# Altium PCB MIS_Locker.PcbDoc (part 2 of 3)
Units mil, origin at the board's own origin, x right, y up, seen from the top; angles counter-clockwise.
Board outline 11360 x 6709 mil, 2 copper layers (Top Layer, Bottom Layer); 356 components, 209 nets, 1076 pads, 244 vias.
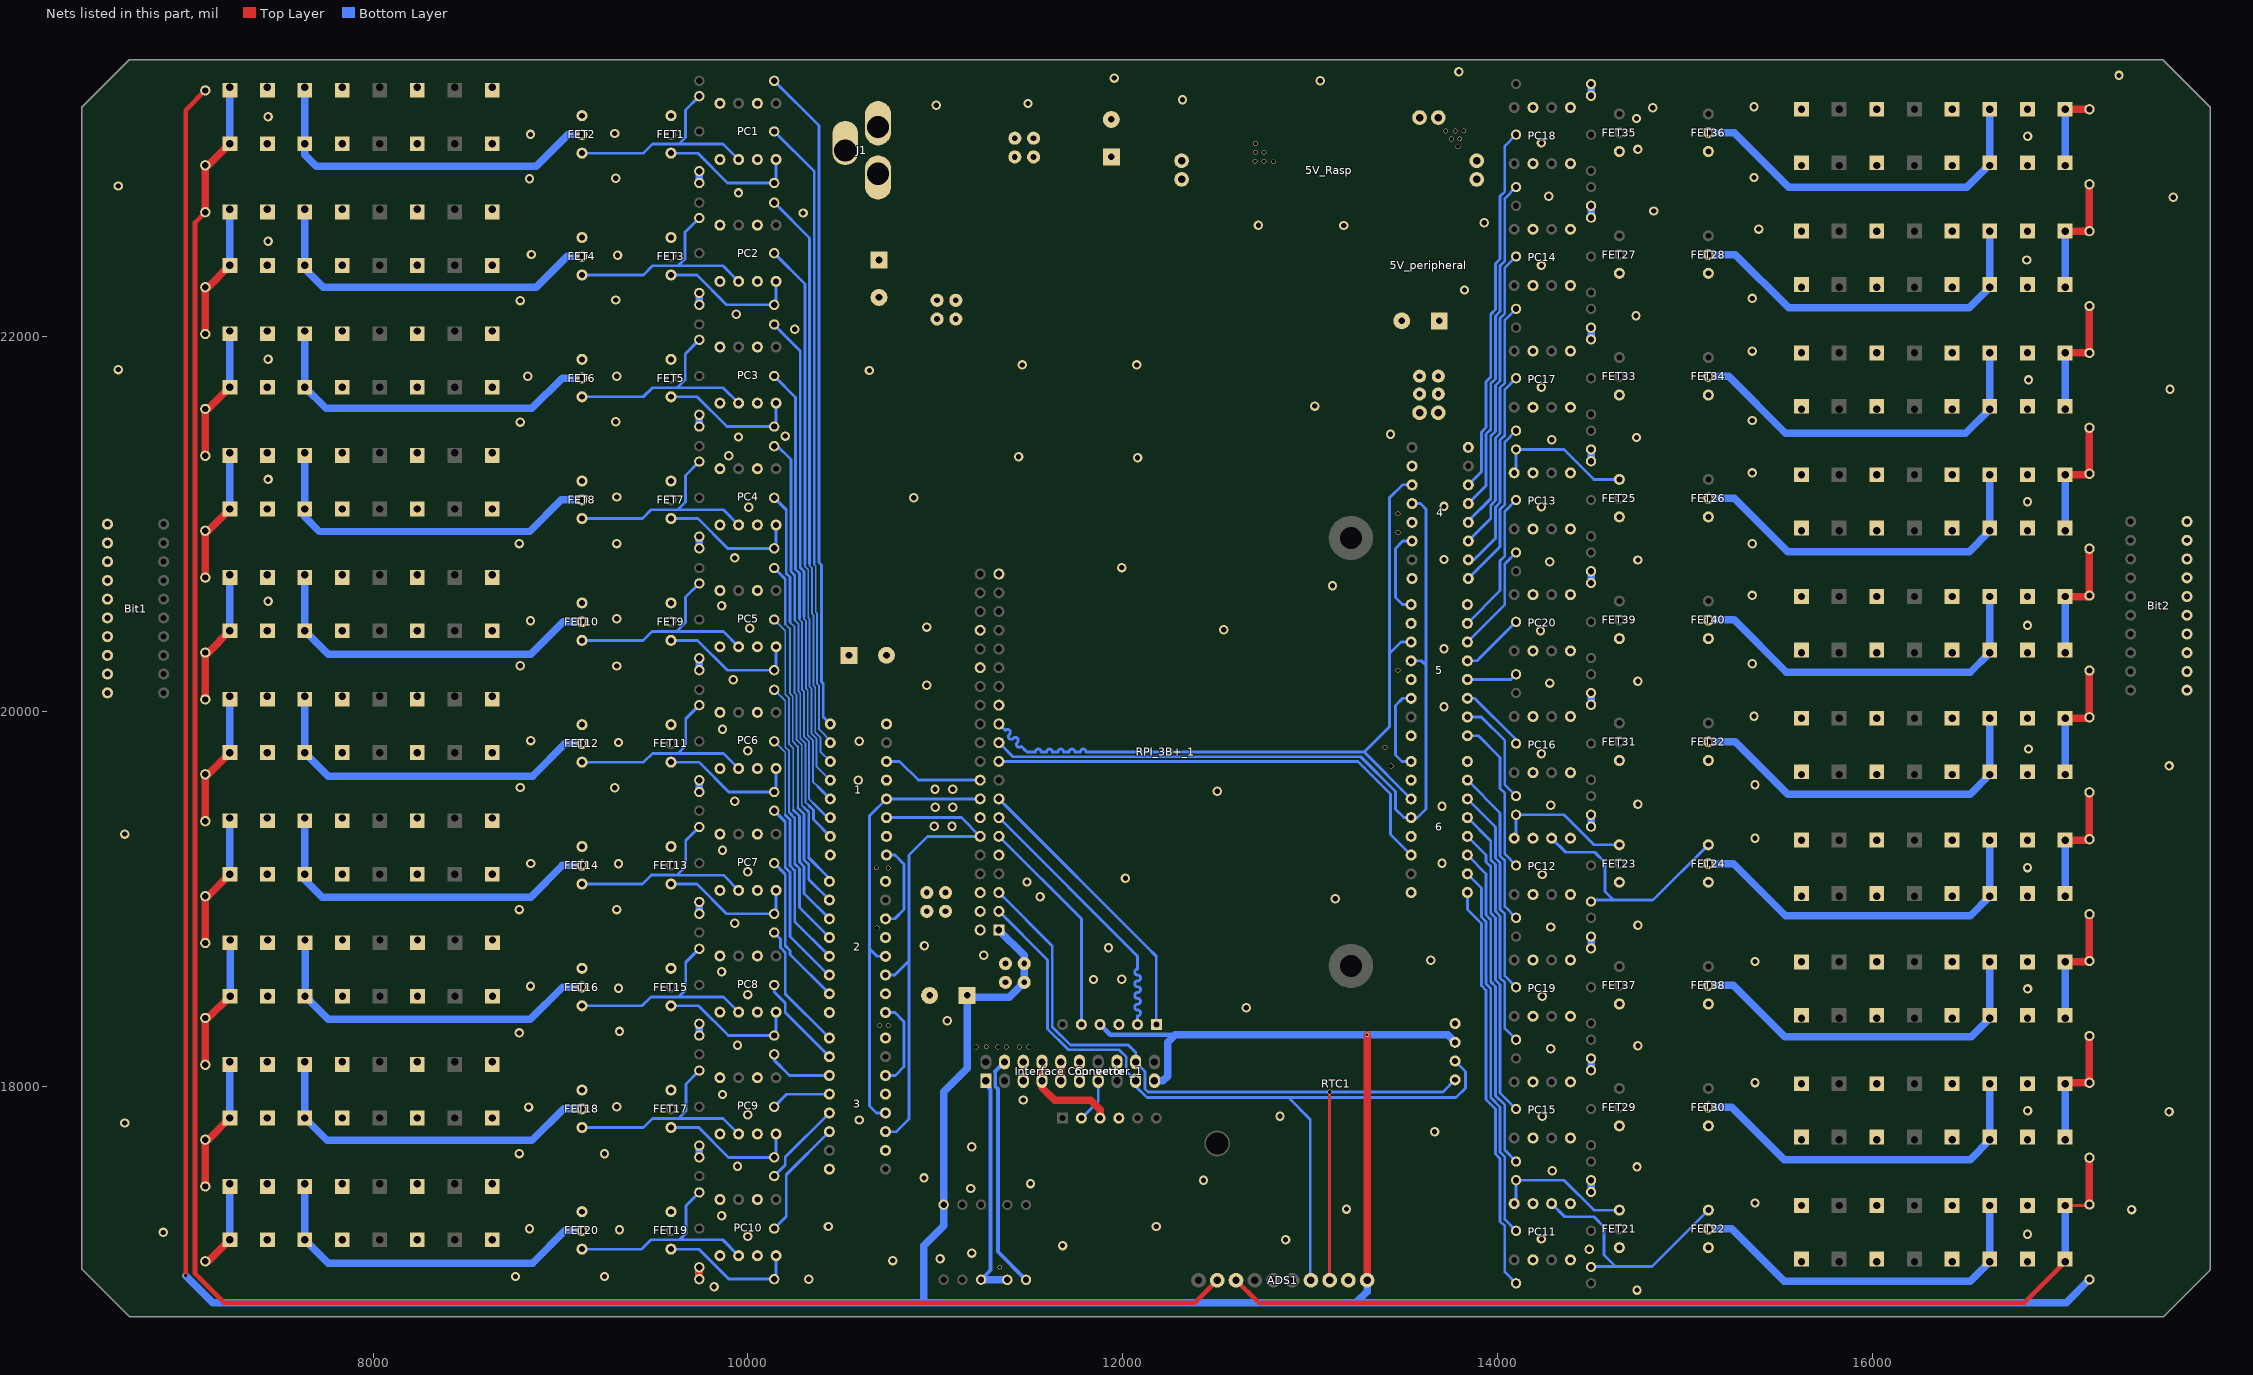
[diagram p2: the nets of this part, all layers, seen from the top]

## Part data
*1 *2 *3 *4 *5 *6 *7 *8 *9 *10 *11 *12 *13 *14 *15 *16 *17 *18 *19 *20 *21 *22 *23 *24 *25 *26 *27 *28 *29 *30 *31 *32 *33 *34 *35 *36 *37 *38 *39 *40 *41 *42 *43 *44 *45 *46 *47 *48 *49 *50 *51 *52 *53 *54 *55 *56 *57 *58 *59 *60 *61 *62 *63 *64 *65 *66 *67 *68 *69 *70 *71 *72 *73 *74 *75 *76 *77 *78 *79 *80 *81 *82 *83 *84 *85 *86 *87 *88 *89 *90 *91 *92 *93 *94 *95 *96 *97 *98 *99 *100 *101 *102 *103 *104 *105 *106 *107 *108 *109 *110 *111 *112 *113 *114 *115 *116 *117 *118 *119 *120 *121 *122 *123 *124 *125 *126 *127 *128 *129 *130 *131 *132 *133 *134 *135 *136 *137 *138 *139 *140 *141 *142 *143 *144 *145 *146 *147 *148 *149 *150 *151 *152 *153 *154 *155 *156 *157 *158 *159 *160: library part 5#Terminalx1
ADS1: library part 6_Adafruit_ADS1015_16Bit_I2C_ADC
Bit1 Bit2: library part 6#Bit_Switch_10
C1 C2 C4 C5 C7 C8 C10 C11 C13 C14: library part CN1, "Cap np  1pF - 472pF"
C3 C6 C9 C12 C15: library part "Cap Pol3_1", "Polarized Capacitor (Surface Mount)", LatestRevisionDate=17-Jul-2002, LatestRevisionNote="Re-released for DXP Platform.", PackageReference=C0805, Publisher="Altium Limited"
  C3: Name=C3
  C6: Name=C6
  C9 C12: Name=C9
  C15: Name=C15
Converter_1: library part 5V-3.3V-converter
"Interface Connector": "IDC 10x2"
R1 R2 R3 R4 R5 R6 R7 R8 R9 R10 R11 R12 R13 R14 R15 R16 R17 R18 R19 R20 R21 R22 R23 R24 R25 R26 R27 R28 R29 R30 R31 R32 R33 R34 R35 R36 R37 R38 R39 R40 R41 R42 R43 R44 R45 R46 R47 R48 R49 R50 R51 R52 R53 R54 R55 R56 R57 R58 R59 R60 R61 R62 R63 R64 R65 R66 R67 R68 R69 R70 R71 R72 R73 R74 R75 R76 R77 R78 R79 R80 R81 R82 R83 R84 R85 R86 R87 R88 R89 R90 R91 R92 R93 R94 R95 R96 R97 R98 R99 R100 R101 R102 R103 R104 R105: library part Res2, "Resistor", LatestRevisionDate=17-Jul-2002, LatestRevisionNote="Re-released for DXP Platform.", PackageDescription="Axial Device, Thru-Hole; 2 Leads; 0.4 in Pin Spacing", PackageReference=AXIAL-0.4, Published=8-Jun-2000, Publisher="Altium Limited"
RPI_3B+_1: library part "rpi connector_2holes", "GPIO Header for Raspberry Pi A+/B+/Pi 2/Pi 3 - 2x20", Manufacturer="SparkFun Electronics", Manufacturer Part Number=PRT-14017, Supplier Part Number 1=1568-1462-ND, Accessory Type=Connector, Category="Development Boards, Kits, Programmers", ComponentLink1Description=https://cdn.sparkfun.com/datasheets/Dev/RaspberryPi/12313.pdf, ComponentLink1URL=https://cdn.sparkfun.com/datasheets/Dev/RaspberryPi/12313.pdf, For Use With/Related Products="Raspberry Pi", Nils Minor=author, nilsminor@web.de=mail, Part Status=Active, Pricing 1="1=1.84 (EUR)", RoHS="RoHS Compliant", Stock 1=150, Supplier 1=Digi-Key

## Via types
v1: diameter 50, hole 28, Top Layer to Bottom Layer, 208 vias
v2: diameter 25, hole 20, Top Layer to Bottom Layer, 31 vias
v3: diameter 137.8, hole 118.11, Top Layer to Bottom Layer, 4 vias
v4: diameter 25, hole 15, Top Layer to Bottom Layer, 1 vias

## Nets (pads, with @x,y where several pads share a name; then routed paths per layer and width w, separated by ;. In a path a pad name is that pad's centre, name@x,y a point inside that pad or via, vN(x,y) a via of type N, cw(c..) or ccw(c..) an arc to the next point about the centre after c; other vN are vias at no path point)
1_N: 1.11 2.11 3.11 RPI_3B+_1.12 | length 2681.6
  Bottom Layer w15: 2.11@10735.02,18594.06 10784.06,18594.06 10860,18670 ; 3.11@10735.04,17758.13 10793.13,17758.13 10860,17825 10860,18670 ; 1.11@10740.02,19434.06 11140.02,19434.06 RPI_3B+_1.12@11240.02,19334.06 10959.06,19334.06 10860,19235 10860,18670
1_P: 1.14 RPI_3B+_1.18 | length 541.4
  Bottom Layer w15: 1.14@10740.02,19734.06 10810,19734.06 10910,19634.06 RPI_3B+_1.18@11240.02,19634.06
2_N: 6.14 RPI_3B+_1.19 | length 2533.6
  Bottom Layer w15: RPI_3B+_1.19@11340.02,19734.06 11815,19734.06 13255.94,19734.06 13430,19560 13430,19344.08 6.14@13540.02,19234.06
2_P: 4.11 5.11 6.11 RPI_3B+_1.23 | length 4234.3
  Bottom Layer w15: RPI_3B+_1.23@11340.02,19934.06 11364.08,19910 11373.98,19900.1 ccw(c11374.69,19900.81) 11375.4,19900.1 cw(c11386,19889.49) 11396.61,19900.1 cw(c11386,19889.49) 11396.61,19878.89 11395.9,19878.18 11395.19,19877.47 ccw(c11405.8,19866.87) 11395.19,19856.26 ccw(c11405.8,19866.87) 11416.41,19856.26 11417.12,19856.97 11417.82,19857.67 cw(c11428.43,19847.07) 11439.04,19857.67 cw(c11428.43,19847.07) 11439.04,19836.46 11438.33,19835.75 11437.62,19835.05 ccw(c11448.23,19824.44) 11437.62,19813.83 ccw(c11448.23,19824.44) 11458.83,19813.83 cw(c11459.54,19813.13) 11460.25,19813.83 11480.75,19793.33 11490.02,19784.06 11505.02,19784.06 11534.02,19784.06 ccw(c11534.02,19785.06) 11535.02,19785.06 cw(c11550.02,19785.06) 11550.02,19800.06 cw(c11550.02,19785.06) 11565.02,19785.06 ccw(c11566.02,19785.06) 11566.02,19784.06 11594.02,19784.06 ccw(c11594.02,19785.06) 11595.02,19785.06 cw(c11610.02,19785.06) 11610.02,19800.06 cw(c11610.02,19785.06) 11625.02,19785.06 ccw(c11626.02,19785.06) 11626.02,19784.06 11654.02,19784.06 ccw(c11654.02,19785.06) 11655.02,19785.06 cw(c11670.02,19785.06) 11670.02,19800.06 cw(c11670.02,19785.06) 11685.02,19785.06 ccw(c11686.02,19785.06) 11686.02,19784.06 11714.02,19784.06 ccw(c11714.02,19785.06) 11715.02,19785.06 cw(c11730.02,19785.06) 11730.02,19800.06 cw(c11730.02,19785.06) 11745.02,19785.06 ccw(c11746.02,19785.06) 11746.02,19784.06 11774.02,19784.06 ccw(c11774.02,19785.06) 11775.02,19785.06 cw(c11790.02,19785.06) 11790.02,19800.06 cw(c11790.02,19785.06) 11805.02,19785.06 ccw(c11806.02,19785.06) 11806.02,19784.06 11815,19784.06 13255.94,19784.06 13290,19784.06 ; 6.11@13540.02,19534.06 13290.01,19784.07 ; 5.11@13540.02,20370.94 13485.94,20370.94 13425,20310 ; 4.11@13545.02,21210 13494.06,21210 13425,21140.94 13425,20310 ; 13290.01,19784.07 13425,19919.06 13425,20310
3.3V_R: "Interface Connector.10" ADS1.10 C10.2 C11.2 C12.1 Converter_1.10 R10.1 R13.1 R65.1 RPI_3B+_1.1 RTC1.3 | length 22763.5
  Top Layer w25: v2(7000,16990) 7000,23210 R10.1@7105,23315
  Top Layer w40: ADS1.10@13305,16965 v4(13305,18275)
  Bottom Layer w25: Converter_1.10@11880,18330 11935,18275 12280,18275
  Bottom Layer w40: v2(7000,16990) 7145,16845 10940,16845 ; RPI_3B+_1.1@11340.02,18834.06 11474.94,18699.15 C10.2@11474.94,18554.98 11394.96,18475 11190,18475 11180,18485 C12.1@11170,18485 11170,18096.57 11045,17971.57 11045,17255 10940,17150 10940,16845 ; 12170,18030 12215,18030 12240,18055 12240,18235 12280,18275 v4(13305,18275) 13735,18275 RTC1.3@13775,18235 RTC1.3@13780,18235 ; ADS1.10@13305,16965 13305,16905 13245,16845 ; R65.1@17160,16969.06 17035.94,16845 13245,16845 ; 10940,16845 13245,16845
3_N: Converter_1.8 RPI_3B+_1.13 | length 1553.9
  Bottom Layer w15: RPI_3B+_1.13@11340.02,19434.06 12080,18694.08 12080,18630 12080,18625.55 cw(c12078.95,18625.55) 12078.95,18624.5 ccw(c12078.95,18610.55) 12065,18610.55 12065,18607.45 ccw(c12078.95,18607.45) 12078.95,18593.5 12080,18593.5 12081.05,18593.5 cw(c12081.05,18579.55) 12095,18579.55 12095,18576.45 cw(c12081.05,18576.45) 12081.05,18562.5 12080,18562.5 12078.95,18562.5 ccw(c12078.95,18548.55) 12065,18548.55 12065,18545.45 ccw(c12078.95,18545.45) 12078.95,18531.5 12080,18531.5 12081.05,18531.5 cw(c12081.05,18517.55) 12095,18517.55 12095,18514.45 cw(c12081.05,18514.45) 12081.05,18500.5 12080,18500.5 12078.95,18500.5 ccw(c12078.95,18486.55) 12065,18486.55 12065,18483.45 ccw(c12078.95,18483.45) 12078.95,18469.5 12080,18469.5 12081.05,18469.5 cw(c12081.05,18455.55) 12095,18455.55 12095,18452.45 cw(c12081.05,18452.45) 12081.05,18438.5 12080,18438.5 12078.95,18438.5 ccw(c12078.95,18424.55) 12065,18424.55 12065,18421.45 ccw(c12078.95,18421.45) 12078.95,18407.5 12080,18407.5 12081.05,18407.5 cw(c12081.05,18393.55) 12095,18393.55 12095,18390.45 cw(c12081.05,18390.45) 12081.05,18376.5 ccw(c12081.05,18375.45) 12080,18375.45 12080,18345.5 Converter_1.8@12080,18330
3_P: Converter_1.7 RPI_3B+_1.15 | length 1552
  Bottom Layer w15: RPI_3B+_1.15@11340.02,19534.06 11390.02,19484.06 12130,18744.08 12180,18694.08 Converter_1.7@12180,18330
5V: 1.10 1.16 2.10 2.16 3.10 3.16 4.10 4.16 5.10 5.16 5V_peripheral.3 6.10 6.16 "Interface Connector.4" "Interface Connector.14" C4.2 C5.2 C6.1 C13.2 C14.2 C15.1 Converter_1.4 R19.2 R21.2 R23.2 R25.2 R27.2 R29.2 R31.2 R33.2 R35.2 R37.2 R39.2 R41.2 R43.2 R45.2 R47.2 R49.2 R51.2 R53.2 R55.2 R57.2 R66.2 R67.2 R69.2 R70.2 R72.2 R73.2 R75.2 R76.2 R82.2 R83.2 R85.2 R86.2 R88.2 R89.2 R91.2 R92.2 R98.2 R99.2 R101.2 R102.2 | length 1863.2
  Top Layer w40: R53.2@9741,16971 R57.2@9741,17034 ; 11570,18130 11570,18030 11570,17993.26 11638.26,17925 11829.06,17925 11880,17874.06 Converter_1.4@11880,17830
  Bottom Layer w40: R53.2@9741,16971 R57.2@9741,17034 ; R51.2@9741,17621 R55.2@9741,17684 ; R41.2@9741,18271 R49.2@9741,18334 ; R39.2@9741,18921 R47.2@9741,18984 ; R37.2@9741,19571 R45.2@9741,19634 ; R35.2@9741,20221 R43.2@9741,20284 ; R25.2@9741,20871 R33.2@9741,20934 ; R23.2@9741,21521 R31.2@9741,21584 ; R21.2@9741,22171 R29.2@9741,22234 ; R19.2@9741,22821 R27.2@9741,22884 ; R67.2@14500,17436.06 R66.2@14500,17499.06 ; R83.2@14500,18086.06 R82.2@14500,18149.06 ; R99.2@14500,18736.06 R98.2@14500,18799.06 ; R70.2@14500,19386.06 R69.2@14500,19449.06 ; R86.2@14500,20036.06 R85.2@14500,20099.06 ; R102.2@14500,20686.06 R101.2@14500,20749.06 ; R73.2@14500,21336.06 R72.2@14500,21399.06 ; R89.2@14500,21986.06 R88.2@14500,22049.06 ; R76.2@14500,22636.06 R75.2@14500,22699.06 ; R92.2@14500,23286.06 R91.2@14500,23349.06
5V_RASP: 5V_Rasp.3 C7.2 C8.2 C9.1 RPI_3B+_1.2 RPI_3B+_1.4
12V: 5V_peripheral.1 5V_Rasp.1 "Interface Connector.5" "Interface Connector.15" *21.1 *21.2 *22.1 *22.2 *23.1 *23.2 *24.1 *24.2 *25.1 *25.2 *26.1 *26.2 *33.1 *33.2 *34.1 *34.2 *35.1 *35.2 *36.1 *36.2 *37.1 *37.2 *38.1 *38.2 *45.1 *45.2 *46.1 *46.2 *47.1 *47.2 *48.1 *48.2 *49.1 *49.2 *50.1 *50.2 *57.1 *57.2 *58.1 *58.2 *59.1 *59.2 *60.1 *60.2 *61.1 *61.2 *62.1 *62.2 *69.1 *69.2 *70.1 *70.2 *71.1 *71.2 *72.1 *72.2 *73.1 *73.2 *74.1 *74.2 *101.1 *101.2 *102.1 *102.2 *103.1 *103.2 *107.1 *107.2 *108.1 *108.2 *109.1 *109.2 *113.1 *113.2 *114.1 *114.2 *115.1 *115.2 *119.1 *119.2 *120.1 *120.2 *121.1 *121.2 *125.1 *125.2 *126.1 *126.2 *127.1 *127.2 *131.1 *131.2 *132.1 *132.2 *133.1 *133.2 *137.1 *137.2 *138.1 *138.2 *139.1 *139.2 *143.1 *143.2 *144.1 *144.2 *145.1 *145.2 *149.1 *149.2 *150.1 *150.2 *151.1 *151.2 *155.1 *155.2 *156.1 *156.2 *157.1 *157.2 C1.2 C2.2 C3.1 J1.3 | length 100
  Top Layer w40: 11670,18030 11670,18130
  other v2: 12805,22935 12707,22937 12755,22937 12709,22985 12755,22985 13790,23015 12709,23032 13755,23056.1 13800,23057.46 13725,23097.92 13775,23098 13820,23100
BUZZER_H: "Interface Connector.7" Converter_1.5 | length 251.4
  Bottom Layer w15: Converter_1.5@11770,17840 Converter_1.5@11780,17830 11870,17920 11870,18030
CANCEL: "Interface Connector.1" R15.2 R16.1 | length 1246.6
  Bottom Layer w20: R15.2@11245.04,16968.16 11295,17018.13 11295,17982.69 11264.07,18013.62 11264.07,18024.07 ; 11258.14,18018.14 11264.07,18024.07 ; 11270,18030 11264.07,18024.07
  Bottom Layer w40: R15.2@11245.04,16968.16 11384.1,16968.16 R16.1@11385.04,16967.23
DOWN: "Interface Connector.12" R17.2 | length 1253
  Bottom Layer w20: 11370,18130 11318.59,18078.59 11320.47,18076.71 11320.47,17999.64 11335,17985.12 11335,17117.27 R17.2@11485.04,16967.23
GND: 1.8 1.13 2.8 2.13 3.8 3.13 4.8 4.13 5.8 5.13 5V_peripheral.2 5V_peripheral.4 5V_Rasp.2 5V_Rasp.4 6.8 6.13 "Interface Connector.3" "Interface Connector.6" "Interface Connector.13" "Interface Connector.16" "Interface Connector.18" *3.1 *3.2 *4.1 *4.2 *7.1 *7.2 *8.1 *8.2 *11.1 *11.2 *12.1 *12.2 *15.1 *15.2 *16.1 *16.2 *19.1 *19.2 *20.1 *20.2 *82.1 *82.2 *84.1 *84.2 *86.1 *86.2 *88.1 *88.2 *90.1 *90.2 *92.1 *92.2 *94.1 *94.2 *96.1 *96.2 *98.1 *98.2 *100.1 *100.2 ADS1.9 Bit1.1 Bit1.2 Bit1.3 Bit1.4 Bit1.5 Bit1.6 Bit1.7 Bit1.8 Bit1.9 Bit1.10 Bit2.1 Bit2.2 Bit2.3 Bit2.4 Bit2.5 Bit2.6 Bit2.7 Bit2.8 Bit2.9 Bit2.10 C1.1 C2.1 C3.2 C4.1 C5.1 C6.2 C7.1 C8.1 C9.2 C10.1 C11.1 C12.2 C13.1 C14.1 C15.2 Converter_1.3 Converter_1.9 FET1.3 FET2.3 FET3.3 FET4.3 FET5.3 FET6.3 FET7.3 FET8.3 FET9.3 FET10.3 FET11.3 FET12.3 FET13.3 FET14.3 FET15.3 FET16.3 FET17.3 FET18.3 FET19.3 FET20.3 FET21.3 FET22.3 FET23.3 FET24.3 FET25.3 FET26.3 FET27.3 FET28.3 FET29.3 FET30.3 FET31.3 FET32.3 FET33.3 FET34.3 FET35.3 FET36.3 FET37.3 FET38.3 FET39.3 FET40.3 J1.1 J1.2 PC1.2 PC1.4 PC1.5 PC1.7 PC2.2 PC2.4 PC2.5 PC2.7 PC3.2 PC3.4 PC3.5 PC3.7 PC4.2 PC4.4 PC4.5 PC4.7 PC5.2 PC5.4 PC5.5 PC5.7 PC6.2 PC6.4 PC6.5 PC6.7 PC7.2 PC7.4 PC7.5 PC7.7 PC8.2 PC8.4 PC8.5 PC8.7 PC9.2 PC9.4 PC9.5 PC9.7 PC10.2 PC10.4 PC10.5 PC10.7 PC11.2 PC11.4 PC11.5 PC11.7 PC12.2 PC12.4 PC12.5 PC12.7 PC13.2 PC13.4 PC13.5 PC13.7 PC14.2 PC14.4 PC14.5 PC14.7 PC15.2 PC15.4 PC15.5 PC15.7 PC16.2 PC16.4 PC16.5 PC16.7 PC17.2 PC17.4 PC17.5 PC17.7 PC18.2 PC18.4 PC18.5 PC18.7 PC19.2 PC19.4 PC19.5 PC19.7 PC20.2 PC20.4 PC20.5 PC20.7 RPI_3B+_1.6 RPI_3B+_1.9 RPI_3B+_1.14 RPI_3B+_1.25 RPI_3B+_1.30 RPI_3B+_1.34 RPI_3B+_1.39 RTC1.4 | length 50
  Bottom Layer w40: J1.1@10695,23120 J1.1@10745,23120
  other v1: 14745,16912.47 9820,16930 10325,16970 8760,16985 9235,16985 10773.55,17070 11026.1,17080 11195,17110 14490,17130 11680,17150 12870,17180.94 14235,17185 10000,17199.16 16829,17210 6880,17220.57 9315,17235 8835,17240 10430,17251.9 12180.32,17251.9 9860,17310 17385,17342.28 13195,17345 15375,17377.64 11190,17455 11508.53,17480.94 12431.76,17499.06 10940,17511.2 14293.47,17550 14745,17570 9945,17573.17 9235,17640 8780,17641 11195,17678.06 13665,17758.13 6675,17804.03 10595,17820 14240,17840 12840,17840.98 10000,17847.81 17585,17865 16830,17870 8830,17889.13 9300,17891 11470,17927.38 9865,17956.39 15375,18020 14285,18200.47 14750,18216.26 9945,18219.62 8780,18285 9315,18293.26 11063.98,18350 12660,18420 14240,18480.94 10000,18489.64 16830,18520 9310,18523.16 8840,18535 11845,18570 11995,18570.98 9860,18611.91 15375,18666.5 13645,18673.04 11259.68,18699.15 11925,18740 10942.26,18750.36 14285,18850 14750,18860 9930,18870 8780,18943.26 9300,18943.26 13135,19001.36 11559.68,19011.37 11490,19090.6 12015,19110 14240,19130.6 10000,19145.47 16829,19167.36 9310,19188.07 8842,19189.13 13705,19189.96 9865,19260 15375,19323.65 6675,19346 10994.31,19387.94 11090,19387.94 11000.39,19488.78 11094.31,19488.78 13705,19495 14285,19499.54 14750,19505.87 9930,19521.65 12505,19575 10998.84,19585 11094.31,19585.43 9290,19593.26 8785,19595 15375,19609.28 10590,19634.06 17585,19710 14235,19775 10000,19791.49 16835,19800 9310,19835 10595,19841 8842,19845 9865,19905.87 15370,19975 13715,20026.26 10955,20140 14280,20151.92 14750,20162.13 9922.81,20170 9300,20243.26 8785,20245 15360,20255 13715,20335 14230,20431.07 12540,20436.41 10010,20444.87 10955,20450.86 16829,20460 8840,20485 9300,20495 9860,20565 7440,20589.13 15360,20620 13120,20671.49 11995,20768.54 14280,20800 14750,20809.25 13715,20811.26 9930,20820 15360,20895 8780,20896.41 9300,20896.41 10005,21090 14235,21092.62 13715,21095 16829,21120 10885,21141 9300,21145 7440,21239.13 15360,21273.65 12080,21355 11445,21360 9898.83,21365 14290,21450 14742.61,21462.67 9950,21465 10200,21470 13430,21480.12 8785,21545 9295,21546.41 15360,21553.26 13025,21630.21 17590,21720 14235,21730.94 16835,21770 9300,21789.13 8825,21790 10648.75,21820 6640,21825 11465,21850 12075,21850 7440,21880 15360,21923.65 10250,22040 14740,22112.47 9938.59,22120 8785,22193.26 9295,22196.41 15360,22205 13825.09,22250 14235,22380.94 16825,22410 9305,22435.1 8845,22439.13 7440,22510 15395,22575 13180,22594.06 12725,22596 13930.35,22608.59 10295,22660.79 14835,22671.72 17607.06,22745 14275,22750 9950,22768.1 6640,22805 8835,22843.26 9295,22846 15370,22850 14750,23000 14235,23035 16830,23070 8840,23080.31 9290,23085.1 14742.61,23165 7440,23175 14830,23223.04 15370,23227.64 11005,23235.68 11495,23244.96 12320,23265 13055,23366 11955,23380.79 17317.56,23395 13795,23415
  other v2: 11345,17034 11218.25,18210 11334.51,18210 11379.55,18210 11448.45,18210 11500,18210 11271.83,18210.91 10704.46,18325 10750,18324.51 10690,18845.58 10750,19164.93 10685,19167.36 13433.09,19710 13400,19810 13470,20220 13470,20956.08 13470,21055.42
Net1_1: 1.1 R18.1 | length 3555.8
  Bottom Layer w15: R18.1@10141,23366 10380,23127 10380,20920 10380,20795 10392.5,20782.5 10392.5,20158.2 10402.5,20148.2 10402.5,19971.58 1.1@10440.02,19934.06
Net1_2: 1.2 R26.1 | length 3385.8
  Bottom Layer w10: 10355,20795 10355,20781.81 10362.5,20774.31 10362.5,20531.13 10370,20523.63 10370,20148.88 10380,20138.88 10380,19905 10440.02,19844.98 1.2@10440.02,19834.06
  Bottom Layer w15: R26.1@10141,23096 10355,22882 10355,20920 10355,20795
Net1_3: 1.3 R20.1 | length 3105.8
  Bottom Layer w10: 10330,20790 10330,20778.53 10342.5,20766.03 10342.5,20522.84 10350,20515.34 10350,20140.6 10360,20130.6 10360,19890.7 10387.5,19863.2 10387.5,19786.58 1.3@10440.02,19734.06
  Bottom Layer w15: R20.1@10141,22716 10330,22527 10330,20920 10330,20790
Net1_4: 1.4 R28.1 | length 2935.8
  Bottom Layer w10: 10305,20790 10305,20775.24 10322.5,20757.74 10322.5,20500.42 10330,20492.92 10330,20132.31 10340,20122.31 10340,19882.42 10367.5,19854.92 10367.5,19706.58 1.4@10440.02,19634.06
  Bottom Layer w15: R28.1@10141,22446 10305,22282 10305,20920 10305,20790
Net1_5: 1.5 R22.1 | length 2655.8
  Bottom Layer w10: 10300,20508.78 10300,20494.63 10310,20484.63 10310,20124.03 10320,20114.03 10320,19874.13 10347.5,19846.63 10347.5,19626.58 10375,19599.08
  Bottom Layer w15: R22.1@10141,22066 10141,22064 10280,21925 10280,20768.42 10300,20748.42 10300,20508.78 ; 10375,19599.08 1.5@10440.02,19534.06
Net1_6: 1.6 R30.1 | length 2489
  Bottom Layer w10: 10275,20498.42 10275,20491.35 10290,20476.35 10290,20115.74 10300,20105.74 10300,19865.85 10327.5,19838.35 10327.5,19532.5 10350,19510
  Bottom Layer w15: R30.1@10141,21791 10255,21677 10255,20758.07 10275,20738.07 10275,20498.42 ; 10350,19510 10425.94,19434.06 1.6@10440.02,19434.06
Net1_7: 1.7 R24.1 | length 2216.3
  Bottom Layer w10: 10250,20488.07 10270,20468.07 10270,20107.46 10280,20097.46 10280,19857.56 10307.5,19830.06 10307.5,19516.63 10325,19499.13
  Bottom Layer w15: R24.1@10141,21416 10159,21416 10230,21345 10230,20747.71 10250,20727.71 10250,20488.07 ; 10325,19499.13 10350,19474.13 10350,19424.08 1.7@10440.02,19334.06
Net1_9: 1.9 2.14 | length 475.1
  Bottom Layer w15: 2.14@10735.02,18894.06 10784.06,18894.06 10834.06,18944.06 10834.06,19185 10785,19234.06 1.9@10740.02,19234.06
Net1_12: 1.12 2.12 3.12 RPI_3B+_1.16 | length 2378.3
  Bottom Layer w15: 2.12@10735.02,18694.06 10690,18694.06 10650,18734.06 ; 3.12@10735.04,17858.13 10686.87,17858.13 10650,17895 10650,18734.06 ; RPI_3B+_1.16@11240.02,19534.06 1.12@10740.02,19534.06 10650,19444.04 10650,18734.06
Net2_1: 2.1 R32.1 | length 2168.7
  Bottom Layer w10: 10225,20477.71 10250,20452.71 10250,20115.36 10250,20099.18 10260,20089.18 10260,19849.28 10287.5,19821.78 10287.5,19501.28 10300,19488.78
  Bottom Layer w15: R32.1@10141,21141 10205,21077 10205,21065 10205,20737.36 10225,20717.36 10225,20477.71 ; 10300,19488.78 10325,19463.78 10325,19220 10435.02,19109.98 2.1@10435.02,19094.06
Net2_2: 2.2 R34.1 | length 1894.5
  Bottom Layer w10: 10200,20467.36 10225,20442.36 10225,20099.18 10225,20097.5 10224.07,20096.57 10240,20080.64 10240,19840.99 10267.5,19813.49 10267.5,19485.92
  Bottom Layer w15: R34.1@10141,20766 10200,20707 10200,20467.36 ; 10267.5,19485.92 10300,19453.42 10300,19208.78 10325,19183.78 10325,19104.08 2.2@10435.02,18994.06
Net2_3: 2.3 R42.1 | length 1718.7
  Bottom Layer w10: R42.1@10141,20491 10200,20432 10200,20092.36 10220,20072.36 10220,19825.64 10242.5,19803.14 10242.5,19475.57
  Bottom Layer w15: 10242.5,19475.57 10275,19443.07 10275,19198.42 10300,19173.42 10300,19029.08 2.3@10435.02,18894.06
Net2_4: 2.4 R36.1 | length 1443.7
  Bottom Layer w10: R36.1@10141,20116 10200,20057 10200,19810.28 10220,19790.28 10220,19462.71 10222.5,19460.21
  Bottom Layer w15: 10222.5,19460.21 10250,19432.71 10250,19188.07 10275,19163.07 10275,18954.08 2.4@10435.02,18794.06
Net2_5: 2.5 R44.1 | length 1268.7
  Bottom Layer w10: R44.1@10141,19841 10200,19782 10200,19447.36
  Bottom Layer w15: 10200,19447.36 10225,19422.36 10225,19177.71 10250,19152.71 10250,18879.08 2.5@10435.02,18694.06
Net2_6: 2.6 R38.1 | length 1001.1
  Bottom Layer w15: R38.1@10141,19471 10200,19412 10200,19167.36 10225,19142.36 10225,18800 10430.94,18594.06 2.6@10435.02,18594.06
Net2_7: 2.7 R46.1 | length 818.7
  Bottom Layer w15: R46.1@10141,19191 10200,19132 10200,18750.36 10225,18725.36 10225,18704.08 2.7@10435.02,18494.06
Net2_9: 2.9 3.14 | length 477.8
  Bottom Layer w15: 2.9@10735.02,18394.06 10785,18394.06 10834.06,18345 10834.06,18105 10787.19,18058.13 3.14@10735.04,18058.13
Net3_1: 3.1 R40.1 | length 684.7
  Bottom Layer w15: R40.1@10141,18821 10175,18787 10175,18740 10200,18715 10200,18493.16 3.1@10435.04,18258.13
Net3_2: 3.2 R48.1 | length 504.7
  Bottom Layer w15: R48.1@10141,18541 10141,18504 10200,18445 10200,18393.16 3.2@10435.04,18158.13
Net3_3: 3.3 R50.1 | length 359.5
  Bottom Layer w15: R50.1@10141,18171 10141,18139 10221.87,18058.13 3.3@10435.04,18058.13
Net3_4: 3.4 R54.1 | length 321.8
  Bottom Layer w15: R54.1@10141,17891 10208.13,17958.13 3.4@10435.04,17958.13
Net3_5: 3.5 R52.1 | length 458.9
  Bottom Layer w15: R52.1@10141,17521 10200,17580 10200,17623.09 3.5@10435.04,17858.13
Net3_6: 3.6 R56.1 | length 638.9
  Bottom Layer w15: R56.1@10141,17241 10205,17305 10205,17528.09 3.6@10435.04,17758.13
Net4_1: 4.1 R96.1 | length 894.7
  Bottom Layer w15: 4.1@13845.02,20710 14015,20879.98 14015,21080 14040,21105 14040,21439.06 R96.1@14100,21499.06
Net4_2: 4.2 R90.1 | length 1092.2
  Bottom Layer w15: 4.2@13845.02,20810 13875,20810 13990,20925 13990,21090.36 14015,21115.36 14015,21449.42 14040,21474.42 14040,21719.06 R90.1@14100,21779.06
Net4_3: 4.3 R81.1 | length 1344.7
  Bottom Layer w15: 4.3@13845.02,20910 13965,21029.98 13965,21100.71 13990,21125.71 13990,21459.77 14015,21484.77 14015,21729.42 14040,21754.42 14040,22089.06 R81.1@14100,22149.06
Net4_4: 4.4 R77.1 | length 1524.7
  Bottom Layer w15: 4.4@13845.02,21010 13845.02,21016.09 13965,21136.07 13965,21470.13 13990,21495.13 13990,21739.77 14015,21764.77 14015,22099.42 14040,22124.42 14040,22369.06 R77.1@14100,22429.06
Net4_5: 4.5 R97.1 | length 1794.7
  Bottom Layer w15: 4.5@13845.02,21110 13940,21204.98 13940,21480.48 13965,21505.48 13965,21750.13 13990,21775.13 13990,22109.77 14015,22134.77 14015,22379.42 14040,22404.42 14040,22739.06 R97.1@14100,22799.06
Net4_6: 4.6 R93.1 | length 1974.7
  Bottom Layer w15: 4.6@13845.02,21210 13915,21279.98 13915,21490.84 13940,21515.84 13940,21760.48 13965,21785.48 13965,22120.13 13990,22145.13 13990,22389.77 14015,22414.77 14015,22750 14040,22775 14040,23019.06 R93.1@14100,23079.06
Net4_12: 4.12 5.12 6.12 RPI_3B+_1.21 | length 4298.5
  Bottom Layer w15: RPI_3B+_1.21@11340.02,19834.06 11415.02,19759.06 13270.94,19759.06 13455.94,19574.06 13455.94,19479.06 13500.94,19434.06 6.12@13540.02,19434.06 13574.06,19434.06 13620,19480 13620,20245 ; 5.12@13540.02,20270.94 13594.06,20270.94 13620,20245 ; 4.12@13545.02,21110 13590,21110 13620,21080 13620,20245
Net4_14: 4.14 5.9 | length 467
  Bottom Layer w15: 5.9@13540.02,20570.94 13494.06,20570.94 13455.94,20609.06 13455.94,20870.94 13495,20910 4.14@13545.02,20910
Net5_1: 5.1 R71.1 | length 834.1
  Bottom Layer w15: 5.1@13840.02,19870.94 13899.06,19870.94 14015,19755 14015,19590 14040,19565 14040,19239.06 R71.1@14100,19179.06
Net5_2: 5.2 R95.1 | length 572.9
  Bottom Layer w15: 5.2@13840.02,19970.94 13914.06,19970.94 14040,19845 14040,19609.06 R95.1@14100,19549.06
Net5_3: 5.3 R87.1 | length 372.4
  Bottom Layer w15: 5.3@13840.02,20070.94 13879.06,20070.94 14100,19850 R87.1@14100,19829.06
Net5_4: 5.4 R105.1 | length 271.6
  Bottom Layer w15: 5.4@13840.02,20170.94 14071.87,20170.94 R105.1@14100,20199.06
Net5_5: 5.5 R103.1 | length 346.2
  Bottom Layer w15: 5.5@13840.02,20270.94 13891.87,20270.94 R103.1@14100,20479.06
Net5_6: 5.6 R80.1 | length 585.8
  Bottom Layer w15: 5.6@13840.02,20370.94 14040,20570.92 14040,20789.06 R80.1@14100,20849.06
Net5_7: 5.7 R74.1 | length 765.8
  Bottom Layer w15: 5.7@13840.02,20470.94 14015,20645.92 14015,20805 14040,20830 14040,21069.06 R74.1@14100,21129.06
Net5_14: 5.14 6.9 | length 461.7
  Bottom Layer w15: 6.9@13540.02,19734.06 13490.94,19734.06 13455.94,19769.06 13455.94,20031.87 13495,20070.94 5.14@13540.02,20070.94
Net6_1: 6.1 R78.1 | length 2192.7
  Bottom Layer w15: 6.1@13840.02,19034.06 13840.02,18943.2 13915,18868.22 13915,18537.29 13940,18512.29 13940,17929.29 13990,17879.29 13990,17638.35 14015,17613.35 14015,17278.71 14040,17253.71 14040,17009.06 R78.1@14100,16949.06
Net6_2: 6.2 R68.1 | length 2012.7
  Bottom Layer w15: 6.2@13840.02,19134.06 13915,19059.08 13915,18903.58 13940,18878.58 13940,18547.64 13965,18522.64 13965,17939.64 14015,17889.64 14015,17648.71 14040,17623.71 14040,17289.06 R68.1@14100,17229.06
Net6_3: 6.3 R94.1 | length 1742.7
  Bottom Layer w15: 6.3@13840.02,19234.06 13940,19134.08 13940,18913.93 13965,18888.93 13965,18558 13990,18533 13990,17950 14040,17900 14040,17659.06 R94.1@14100,17599.06
Net6_4: 6.4 R84.1 | length 1562.7
  Bottom Layer w15: 6.4@13840.02,19334.06 13940,19234.08 13940,19197.64 13965,19172.64 13965,18924.29 13990,18899.29 13990,18568.35 14015,18543.35 14015,17964.06 R84.1@14100,17879.06
Net6_5: 6.5 R104.1 | length 1292.7
  Bottom Layer w15: 6.5@13840.02,19434.06 13965,19309.08 13965,19208 13990,19183 13990,18934.64 14015,18909.64 14015,18578.71 14040,18553.71 14040,18309.06 R104.1@14100,18249.06
Net6_6: 6.6 R100.1 | length 1112.7
  Bottom Layer w15: 6.6@13840.02,19534.06 13990,19384.08 13990,19218.35 14015,19193.35 14015,18945 14040,18920 14040,18589.06 R100.1@14100,18529.06
Net6_7: 6.7 R79.1 | length 842.7
  Bottom Layer w15: 6.7@13840.02,19634.06 14015,19459.08 14015,19228.71 14040,19203.71 14040,18959.06 R79.1@14100,18899.06
Net*1_1: *1.1 *1.2 ADS1.2 R9.1 R10.2 | length 11985.8
  Top Layer w25: R9.1@7105,22665 7050,22610 7050,17000 7205,16845 12385,16845 ADS1.2@12505,16965
  Top Layer w40: R9.1@7105,22665 R10.2@7105,22915 7120.13,22915 *1.2@7236.06,23030.94
  Bottom Layer w40: *1.2@7236.06,23030.94 *1.1@7236.06,23330.94
Net*2_1: *2.1 *2.2 R4.1 R5.2 | length 729.1
  Top Layer w40: R4.1@7105,19415 R5.2@7105,19665 7120.13,19665 *2.2@7236.06,19780.94
  Bottom Layer w40: *2.2@7236.06,19780.94 *2.1@7236.06,20080.94
Net*5_1: *5.1 *5.2 R8.1 R9.2 | length 729.1
  Top Layer w40: R8.1@7105,22015 R9.2@7105,22265 7120.13,22265 *5.2@7236.06,22380.94
  Bottom Layer w40: *5.2@7236.06,22380.94 *5.1@7236.06,22680.94
Net*6_1: *6.1 *6.2 R3.1 R4.2 | length 729.5
  Top Layer w40: R3.1@7105,18765 R4.2@7105,19015 7119.19,19015 *6.2@7236.06,19131.87
  Bottom Layer w40: *6.2@7236.06,19131.87 *6.1@7236.06,19431.87
Net*9_1: *9.1 *9.2 R7.1 R8.2 | length 729.1
  Top Layer w40: R7.1@7105,21365 R8.2@7105,21615 7120.13,21615 *9.2@7236.06,21730.94
  Bottom Layer w40: *9.2@7236.06,21730.94 *9.1@7236.06,22030.94
Net*10_1: *10.1 *10.2 R2.1 R3.2 | length 730.1
  Top Layer w40: R2.1@7105,18115 R3.2@7105,18365 7121.19,18365 *10.2@7237.13,18480.94
  Bottom Layer w40: *10.2@7237.13,18480.94 *10.1@7237.13,18780.94
Net*13_1: *13.1 *13.2 R6.1 R7.2 | length 729.1
  Top Layer w40: R6.1@7105,20715 R7.2@7105,20965 7120.13,20965 *13.2@7236.06,21080.94
  Bottom Layer w40: *13.2@7236.06,21080.94 *13.1@7236.06,21380.94
Net*14_1: *14.1 *14.2 R1.1 R2.2 | length 728.1
  Top Layer w40: R1.1@7105,17465.94 R2.2@7105,17715 7120.13,17715 *14.2@7236.06,17830.94
  Bottom Layer w40: *14.2@7236.06,17830.94 *14.1@7236.06,18130.94
Net*17_1: *17.1 *17.2 R5.1 R6.2 | length 729.1
  Top Layer w40: R5.1@7105,20065 R6.2@7105,20315 7120.13,20315 *17.2@7236.06,20430.94
  Bottom Layer w40: *17.2@7236.06,20430.94 *17.1@7236.06,20730.94
Net*18_1: *18.1 *18.2 R1.2 | length 478.7
  Top Layer w40: R1.2@7105,17065.94 7121.06,17065.94 *18.2@7236.06,17180.94
  Bottom Layer w40: *18.2@7236.06,17180.94 *18.1@7236.06,17480.94
Net*31_1: *31.1 *31.2 FET2.2 | length 1933.8
  Bottom Layer w40: *31.1@7636.06,23330.94 *31.2@7636.06,23030.94 7636.06,22970.94 7696,22911 8872,22911 9041,23080 FET2.2@9115,23080
Net*32_1: *32.1 *32.2 FET12.2 | length 1902.8
  Bottom Layer w40: *32.1@7636.06,20080.94 *32.2@7636.06,19780.94 7761,19656 8851,19656 9025,19830 FET12.2@9115,19830
Net*43_1: *43.1 *43.2 FET4.2 | length 1906.7
  Bottom Layer w40: *43.1@7636.06,22680.94 *43.2@7636.06,22380.94 7636.06,22362.94 7735,22264 8871,22264 9037,22430 FET4.2@9115,22430
Net*44_1: *44.1 *44.2 FET14.2 | length 1916.8
  Bottom Layer w40: *44.1@7636.06,19431.87 *44.2@7636.06,19131.87 7636.06,19102.94 7729,19010 8841,19010 9011,19180 FET14.2@9115,19180
Net*55_1: *55.1 *55.2 FET6.2 | length 1892.8
  Bottom Layer w40: *55.1@7636.06,22030.94 *55.2@7636.06,21730.94 7749,21618 8847,21618 9009,21780 FET6.2@9115,21780
Net*56_1: *56.1 *56.2 FET16.2 | length 1900.9
  Bottom Layer w40: *56.1@7637.13,18780.94 *56.2@7637.13,18480.94 7761.06,18357 8840,18357 9013,18530 FET16.2@9115,18530
Net*67_1: *67.1 *67.2 FET8.2 | length 1923.2
  Bottom Layer w40: *67.1@7636.06,21380.94 *67.2@7636.06,21080.94 7636.06,21038.94 7714,20961 8836,20961 9005,21130 FET8.2@9115,21130
Net*68_1: *68.1 *68.2 FET18.2 | length 1898.6
  Bottom Layer w40: *68.1@7636.06,18130.94 *68.2@7636.06,17830.94 7756,17711 8848,17711 9017,17880 FET18.2@9115,17880
Net*79_1: *79.1 *79.2 FET10.2 | length 1901.9
  Bottom Layer w40: *79.1@7636.06,20730.94 *79.2@7636.06,20430.94 7760,20307 8842,20307 9015,20480 FET10.2@9115,20480
Net*80_1: *80.1 *80.2 FET20.2 | length 1902.3
  Bottom Layer w40: *80.1@7636.06,17480.94 *80.2@7636.06,17180.94 7760,17057 8851,17057 9024.94,17230.94 FET20.2@9115,17230.94
Net*81_1: *81.1 *81.2 ADS1.3 R64.1 R65.2 | length 5255
  Top Layer w15: *81.2@17030,17364.06 R65.2@17155,17364.06
  Top Layer w25: ADS1.3@12600,16971 12726,16845 16810.94,16845 *81.1@17030,17064.06
  Top Layer w40: R65.2@17155,17364.06 R65.2@17160,17369.06 R64.1@17160,17619.06
  Bottom Layer w40: *81.1@17030,17064.06 *81.2@17030,17364.06
Net*83_1: *83.1 *83.2 R63.1 R64.2 | length 682.1
  Top Layer w40: *83.2@17030,18014.06 17035,18019.06 R64.2@17160,18019.06 R63.1@17160,18269.06
  Bottom Layer w40: *83.1@17030,17714.06 *83.2@17030,18014.06
Net*85_1: *85.1 *85.2 R62.1 R63.2 | length 682.1
  Top Layer w40: *85.2@17030,18664.06 17155,18664.06 R63.2@17160,18669.06 R62.1@17160,18919.06
  Bottom Layer w40: *85.1@17030,18364.06 *85.2@17030,18664.06
Net*87_1: *87.1 *87.2 R61.1 R62.2 | length 682.1
  Top Layer w40: *87.2@17030,19314.06 17155,19314.06 R62.2@17160,19319.06 R61.1@17160,19569.06
  Bottom Layer w40: *87.1@17030,19014.06 *87.2@17030,19314.06
Net*89_1: *89.1 *89.2 R60.1 R61.2 | length 682.1
  Top Layer w40: *89.2@17030,19964.06 17155,19964.06 R61.2@17160,19969.06 R60.1@17160,20219.06
  Bottom Layer w40: *89.1@17030,19664.06 *89.2@17030,19964.06
Net*91_1: *91.1 *91.2 R59.1 R60.2 | length 682.1
  Top Layer w40: *91.2@17030,20614.06 17155,20614.06 R60.2@17160,20619.06 R59.1@17160,20869.06
  Bottom Layer w40: *91.1@17030,20314.06 *91.2@17030,20614.06
Net*93_1: *93.1 *93.2 R58.1 R59.2 | length 677.1
  Top Layer w40: *93.2@17030,21264.06 17155,21264.06 R59.2@17160,21269.06 R58.1@17160,21514.06
  Bottom Layer w40: *93.1@17030,20964.06 *93.2@17030,21264.06
Net*95_1: *95.1 *95.2 R12.1 R58.2 | length 680
  Top Layer w40: *95.2@17030,21914.06 R58.2@17160,21914.06 R12.1@17160,22164.06
  Bottom Layer w40: *95.1@17030,21614.06 *95.2@17030,21914.06
Net*97_1: *97.1 *97.2 R11.1 R12.2 | length 680
  Top Layer w40: *97.2@17030,22564.06 R12.2@17160,22564.06 R11.1@17160,22814.06
  Bottom Layer w40: *97.1@17030,22264.06 *97.2@17030,22564.06
Net*99_1: *99.1 *99.2 R11.2 | length 430
  Top Layer w40: *99.2@17030,23214.06 R11.2@17160,23214.06
  Bottom Layer w40: *99.1@17030,22914.06 *99.2@17030,23214.06
Net*106_1: *106.1 *106.2 FET22.2 | length 1961.5
  Bottom Layer w40: FET22.2@15126,17239.13 15250,17239.13 15530.06,16959.06 16523,16959.06 *106.1@16628,17064.06 *106.2@16628,17364.06
Net*112_1: *112.1 *112.2 FET30.2 | length 1961.5
  Bottom Layer w40: FET30.2@15126,17889.13 15249.94,17889.13 15530,17609.06 16523,17609.06 *112.1@16628,17714.06 *112.2@16628,18014.06
Net*118_1: *118.1 *118.2 FET38.2 | length 1957.4
  Bottom Layer w40: FET38.2@15126,18539.13 15259.94,18539.13 15535,18264.06 16528,18264.06 *118.1@16628,18364.06 *118.2@16628,18664.06
Net*124_1: *124.1 *124.2 FET24.2 | length 1961.5
  Bottom Layer w40: FET24.2@15126,19189.13 15259.88,19189.13 15539.94,18909.06 16523,18909.06 *124.1@16628,19014.06 *124.2@16628,19314.06
Net*130_1: *130.1 *130.2 FET32.2 | length 1961.5
  Bottom Layer w40: FET32.2@15126,19839.13 15269.94,19839.13 15550,19559.06 16523,19559.06 *130.1@16628,19664.06 *130.2@16628,19964.06
Net*136_1: *136.1 *136.2 FET40.2 | length 1959.8
  Bottom Layer w40: FET40.2@15126,20489.13 15264.94,20489.13 15543,20211.06 16525,20211.06 *136.1@16628,20314.06 *136.2@16628,20614.06
Net*142_1: *142.1 *142.2 FET26.2 | length 1965.6
  Bottom Layer w40: FET26.2@15126,21139.13 15264.88,21139.13 15549.94,20854.06 16518,20854.06 *142.1@16628,20964.06 *142.2@16628,21264.06
Net*148_1: *148.1 *148.2 FET34.2 | length 1982.2
  Bottom Layer w40: FET34.2@15126,21789.13 15234.94,21789.13 15540,21484.06 16498,21484.06 *148.1@16628,21614.06 *148.2@16628,21914.06
Net*154_1: *154.1 *154.2 FET28.2 | length 1965.6
  Bottom Layer w40: FET28.2@15126,22439.13 15269.94,22439.13 15555,22154.06 16518,22154.06 *154.1@16628,22264.06 *154.2@16628,22564.06
Net*160_1: *160.1 *160.2 FET36.2 | length 1969.8
  Bottom Layer w40: FET36.2@15126,23089.13 15264.94,23089.13 15555,22799.06 16505,22799.06 16620,22914.06 *160.1@16628,22914.06 *160.2@16628,23214.06
NetADS1_7: "Interface Connector.9" ADS1.7 RPI_3B+_1.3 RTC1.2 | length 4391.2
  Bottom Layer w15: RPI_3B+_1.3@11340.02,18934.06 11600,18674.08 11600,18306.64 11711.64,18195 11981.35,18195 12020,18156.35 12020,18080 12070,18030 12070,17999.64 12129.64,17940 12885,17940 ; ADS1.7@13001.4,16965 13001.4,17823.6 12885,17940 ; RTC1.2@13775,18135 13830,18080 13830,17990 13780,17940 12885,17940
NetADS1_8: "Interface Connector.19" ADS1.8 RPI_3B+_1.5 RTC1.1 | length 4245.7
  Top Layer w15: ADS1.8@13105,16965 v2(13105,17970)
  Bottom Layer w15: RPI_3B+_1.5@11340.02,19034.06 11625,18749.08 11625,18317 11722,18220 12030,18220 12070,18180 12070,18130 12120,18080 12120,17985 12135,17970 12695,17970 13710,17970 RTC1.1@13775,18035
NetConverter_1_11: Converter_1.11 RPI_3B+_1.11 | length 1186.3
  Bottom Layer w15: RPI_3B+_1.11@11340.02,19334.06 11780,18894.08 Converter_1.11@11780,18330
NetFET1_1: FET1.1 PC1.8 R19.1 | length 746
  Bottom Layer w15: FET1.1@9590,22980 9733,22980 9892,22821 R19.1@10141,22821 10141,22836 10151,22846 PC1.8@10151,22946
NetFET2_1: FET2.1 PC1.6 R27.1 | length 1190.8
  Bottom Layer w15: FET2.1@9115,22980 9443,22980 9492,23029 9632,23029 ; R27.1@9741,23284 9668,23211 9668,23065 9632,23029 ; PC1.6@9951,22946 9868,23029 9632,23029
NetFET3_1: FET3.1 PC2.8 R21.1 | length 746
  Bottom Layer w15: FET3.1@9590,22330 9728,22330 9887,22171 R21.1@10141,22171 10151,22181 PC2.8@10151,22296
NetFET4_1: FET4.1 PC2.6 R29.1 | length 1192.5
  Bottom Layer w15: FET4.1@9115,22330 9443,22330 9492,22379 9628,22379 ; R29.1@9741,22634 9665,22558 9665,22416 9628,22379 ; PC2.6@9951,22296 9868,22379 9628,22379
NetFET5_1: FET5.1 PC3.8 R23.1 | length 746
  Bottom Layer w15: FET5.1@9590,21680 9729,21680 9888,21521 R23.1@10141,21521 10151,21531 PC3.8@10151,21646
NetFET6_1: FET6.1 PC3.6 R31.1 | length 1187.9
  Bottom Layer w15: FET6.1@9115,21680 9442,21680 9489.74,21727.74 9604.25,21727.74 ; 9604.28,21727.77 9869.23,21727.77 PC3.6@9951,21646 ; 9627,21733 9666,21772 9666,21909 R31.1@9741,21984
NetFET7_1: FET7.1 PC4.8 R25.1 | length 746
  Bottom Layer w15: FET7.1@9590,21030 9734,21030 9893,20871 R25.1@10141,20871 10151,20881 PC4.8@10151,20996
NetFET8_1: FET8.1 PC4.6 R33.1 | length 1190.8
  Bottom Layer w15: FET8.1@9115,21030 9437,21030 9484.03,21077.03 9609.48,21077.03 ; 9609.51,21077 9870,21077 PC4.6@9951,20996 ; 9628,21079 9667,21118 9667,21260 R33.1@9741,21334
NetFET9_1: FET9.1 PC5.8 R35.1 | length 746
  Bottom Layer w15: FET9.1@9590,20380 9731,20380 9890,20221 R35.1@10141,20221 10151,20231 PC5.8@10151,20346
NetFET10_1: FET10.1 PC5.6 R43.1 | length 1189.5
  Bottom Layer w15: FET10.1@9115,20380 9441,20380 9488.03,20427.03 9869.97,20427.03 PC5.6@9951,20346 ; 9624,20432 9668,20476 9668,20611 R43.1@9741,20684
NetFET11_1: FET11.1 PC6.8 R37.1 | length 746
  Bottom Layer w15: FET11.1@9590,19730 9739,19730 9898,19571 R37.1@10141,19571 10151,19581 PC6.8@10151,19696
NetFET12_1: FET12.1 PC6.6 R45.1 | length 1193.3
  Bottom Layer w15: FET12.1@9115,19730 9444,19730 9491.03,19777.03 9609.48,19777.03 ; 9609.51,19777 9627,19777 ; R45.1@9741,20034 9669,19962 9669,19819 9627,19777 ; PC6.6@9951,19696 9870,19777 9627,19777
NetFET13_1: FET13.1 PC7.8 R39.1 | length 746
  Bottom Layer w15: FET13.1@9590,19080 9728,19080 9887,18921 R39.1@10141,18921 10151,18931 PC7.8@10151,19046
NetFET14_1: FET14.1 PC7.6 R47.1 | length 1194.9
  Bottom Layer w15: FET14.1@9115,19080 9438,19080 9485.03,19127.03 9609.48,19127.03 ; 9609.51,19127 9623,19127 ; R47.1@9741,19384 9669,19312 9669,19173 9623,19127 ; PC7.6@9951,19046 9870,19127 9623,19127
NetFET15_1: FET15.1 PC8.8 R41.1 | length 746
  Bottom Layer w15: FET15.1@9590,18430 9737,18430 9896,18271 R41.1@10141,18271 10151,18281 PC8.8@10151,18396
NetFET16_1: FET16.1 PC8.6 R49.1 | length 1191.6
  Bottom Layer w15: FET16.1@9115,18430 9436,18430 9483.03,18477.03 9631.03,18477.03 ; R49.1@9741,18734 9669,18662 9669,18515 9631.03,18477.03 ; PC8.6@9951,18396 9869.97,18477.03 9631.03,18477.03
NetFET17_1: FET17.1 PC9.8 R51.1 | length 746
  Bottom Layer w15: FET17.1@9590,17780 9738,17780 9897,17621 R51.1@10141,17621 10151,17631 PC9.8@10151,17746
NetFET18_1: FET18.1 PC9.6 R55.1 | length 1191.2
  Bottom Layer w15: FET18.1@9115,17780 9443,17780 9492,17829 9631,17829 ; R55.1@9741,18084 9670,18013 9670,17868 9631,17829 ; PC9.6@9951,17746 9868,17829 9631,17829
NetFET19_1: FET19.1 PC10.8 R53.1 | length 746.4
  Bottom Layer w15: FET19.1@9590,17130.94 9738.06,17130.94 9898,16971 R53.1@10141,16971 10151,16981 PC10.8@10151,17096
NetFET20_1: FET20.1 PC10.6 R57.1 | length 1188.1
  Bottom Layer w15: FET20.1@9115,17130.94 9433.94,17130.94 9483.94,17180.94 9636.94,17180.94 ; R57.1@9741,17434 9670,17363 9670,17214 9636.94,17180.94 ; PC10.6@9951,17096 9866.06,17180.94 9636.94,17180.94
NetFET21_1: FET21.1 PC11.8 R66.1 | length 746.4
  Bottom Layer w15: PC11.8@14090,17374.06 14100,17384.06 R66.1@14100,17499.06 14355,17499.06 14514.94,17339.13 FET21.1@14651,17339.13
NetFET22_1: FET22.1 PC11.6 R67.1 | length 1318.2
  Bottom Layer w15: PC11.6@14290,17374.06 14360,17304.06 14515,17304.06 14570,17249.06 14570,17099.06 14630,17039.06 ; R67.1@14500,17036.06 14503,17039.06 14630,17039.06 ; FET22.1@15126,17339.13 14825.94,17039.06 14630,17039.06
NetFET23_1: FET23.1 PC12.8 R69.1 | length 746.4
  Bottom Layer w15: PC12.8@14090,19324.06 14100,19334.06 R69.1@14100,19449.06 14355,19449.06 14514.94,19289.13 FET23.1@14651,19289.13
NetFET24_1: FET24.1 PC12.6 R70.1 | length 1309
  Bottom Layer w15: PC12.6@14290,19324.06 14365,19249.06 14520,19249.06 14575,19194.06 14575,19039.06 14620,18994.06 ; R70.1@14500,18986.06 14508,18994.06 14620,18994.06 ; FET24.1@15126,19289.13 14830.94,18994.06 14620,18994.06
NetFET25_1: FET25.1 PC13.8 R72.1 | length 746.4
  Bottom Layer w15: PC13.8@14090,21274.06 14100,21284.06 R72.1@14100,21399.06 14355,21399.06 14514.94,21239.13 FET25.1@14651,21239.13